# Altium PCB ECU_FEST24_Rev1.PcbDoc (part 2 of 3) (continued)
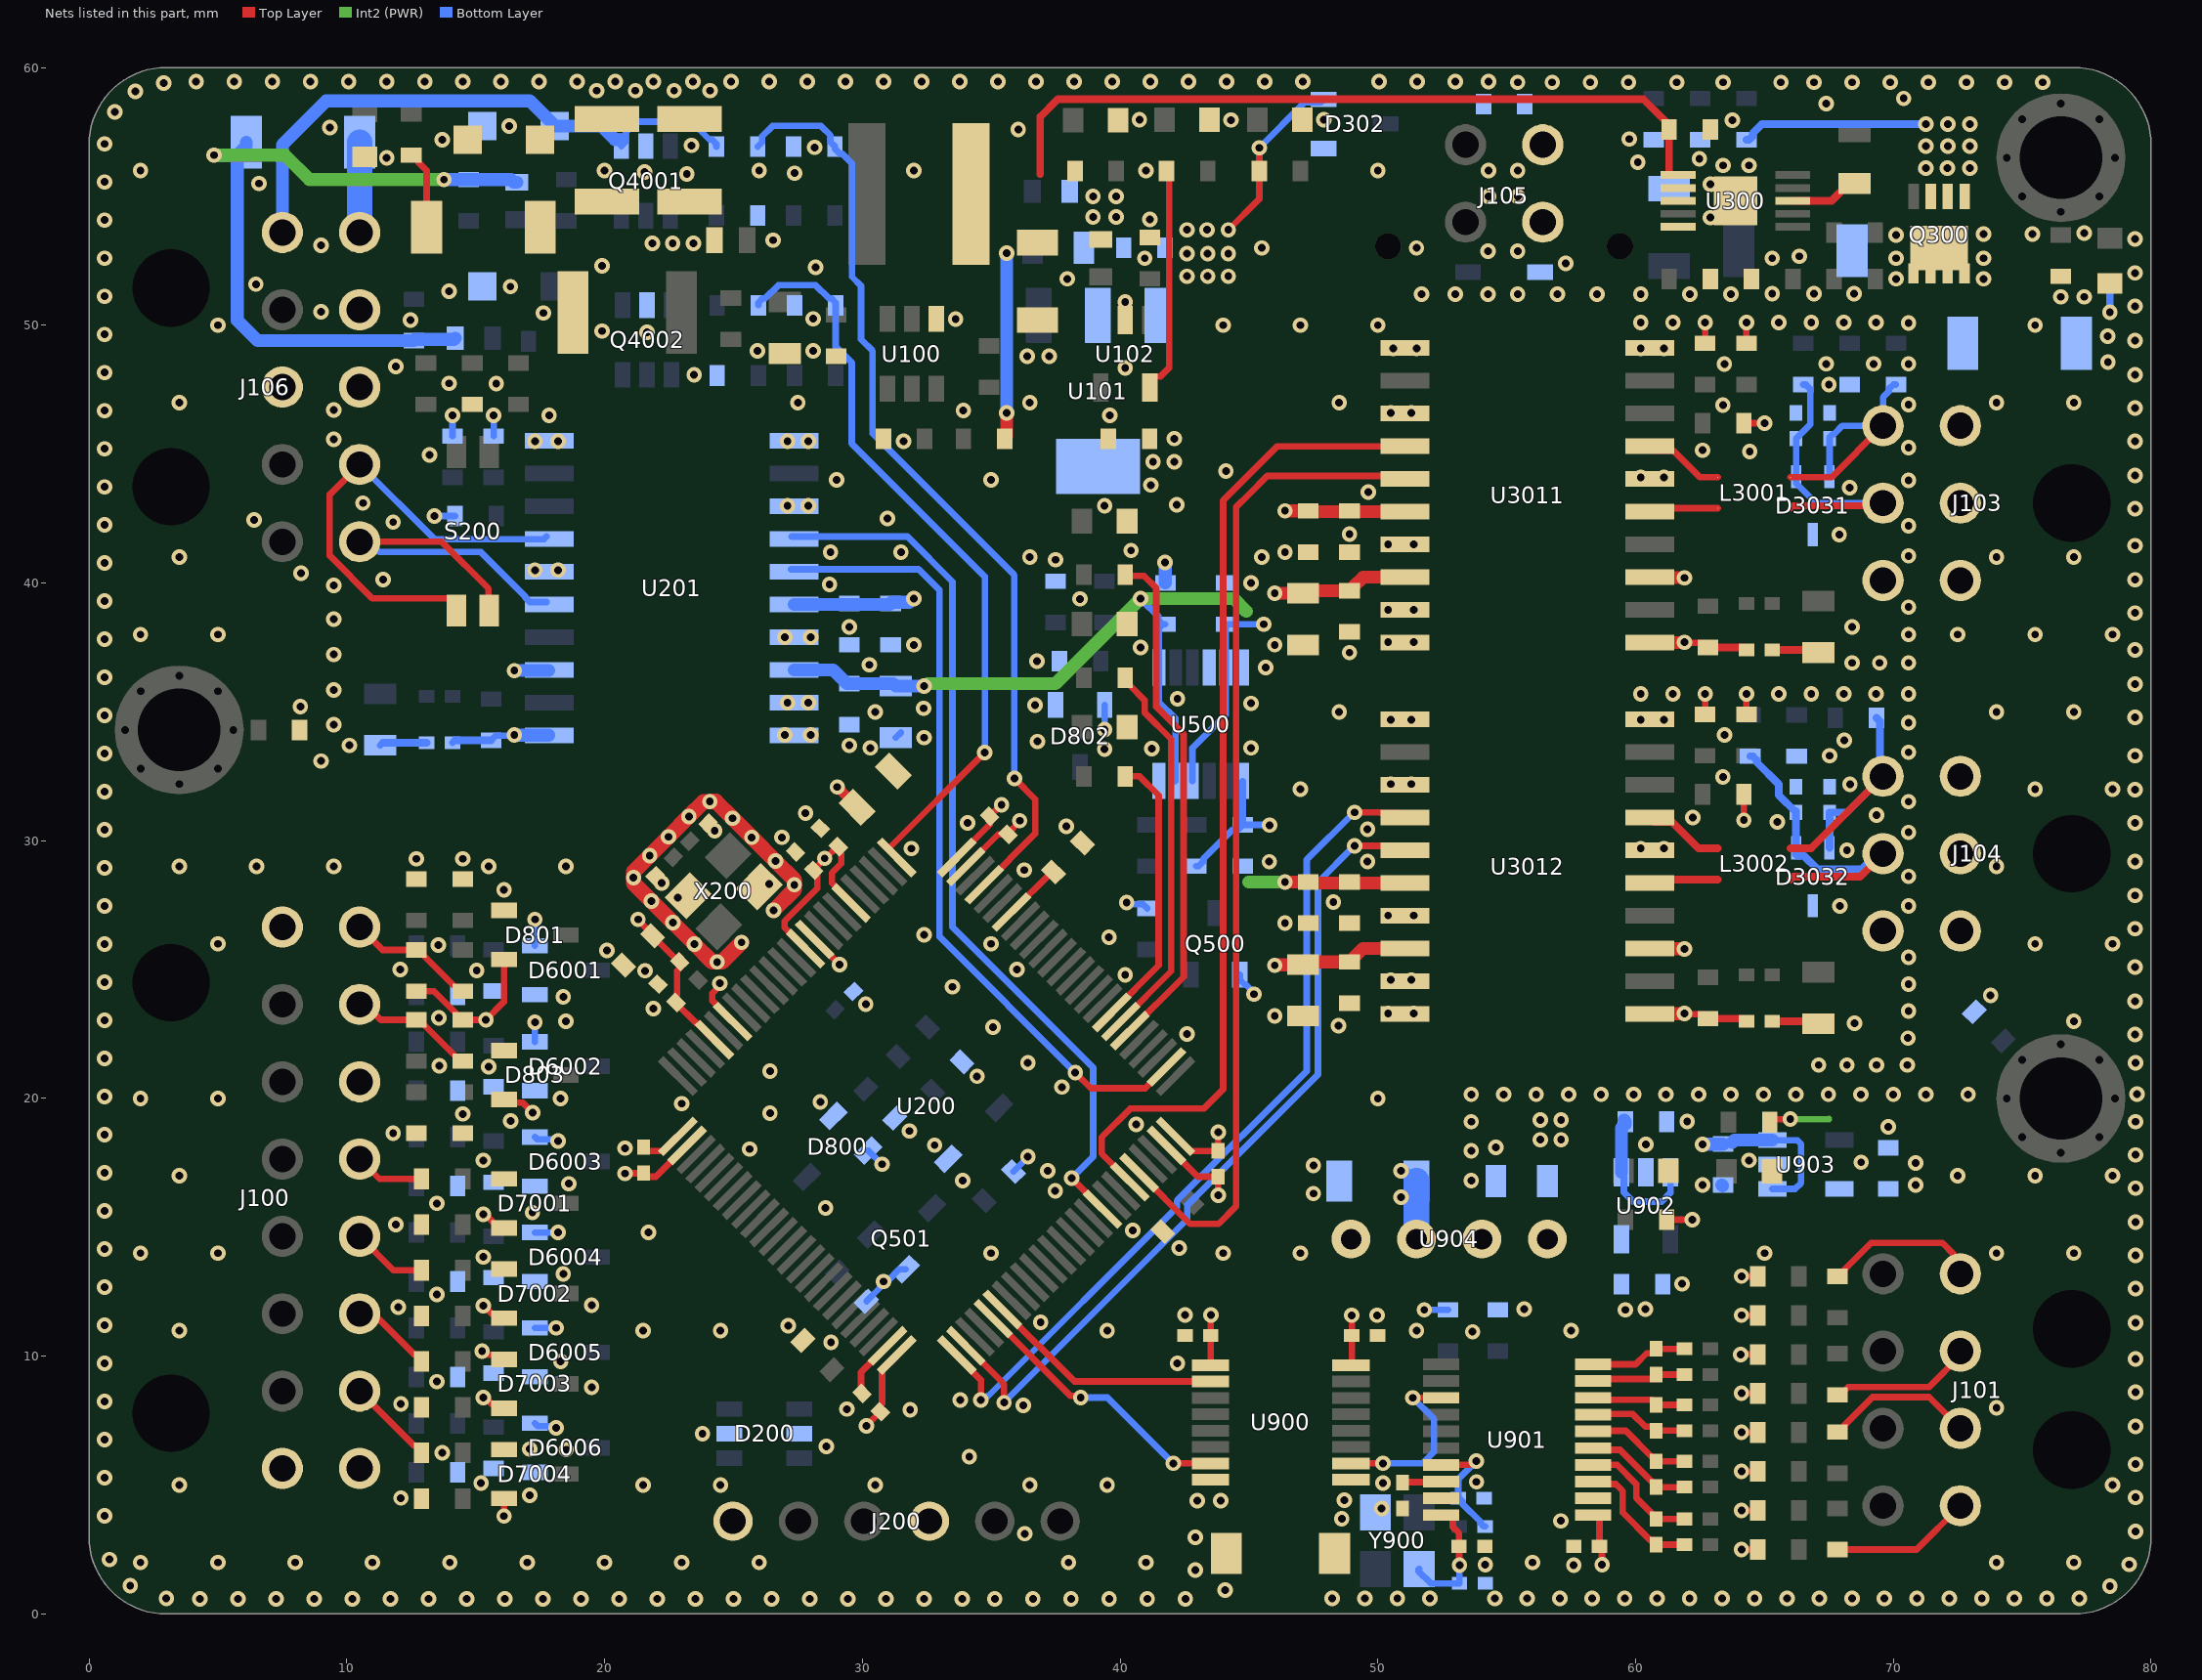
[diagram p4: the nets of this part, all layers, seen from the top]
## Nets (pads, with @x,y where several pads share a name; then routed paths per layer and width w, separated by ;. In a path a pad name is that pad's centre, name@x,y a point inside that pad or via, vN(x,y) a via of type N, cw(c..) or ccw(c..) an arc to the next point about the centre after c; other vN are vias at no path point) (continued)
  Int2 (PWR) w0.254: v1(66,19.2) 67.5,19.2
  other v1: 70.869,16.639 70.869,17.5
+3V3D_iso: C901.2 C903.2 C905.1 C908.2 R900.2 R909.1 U900.16 U901.20 U902.5 Y900.4 | length 8.9
  Top Layer w0.254: U900.16@48.955,9.655 48.99,9.691 v1(48.99,11.59) ; U901.20@52.45,3.837 52.809,3.837 52.907,3.739 52.907,3.38 53.15,3.137 C903.2@53.15,2.628 53.159,2.619 53.159,1.909 v1(53.168,1.9) ; R900.2@61.202,15.297 62.197,15.297 v1(62.2,15.3)
  Bottom Layer w0.254: Y900.4@51.6,1.75 51.586,1.736 51.586,1.655 52.052,1.19 C905.1@53.168,1.19 v1(53.168,1.9) ; v1(51.803,11.8) R909.1@52.723,11.8
  other v1: 59.602,11.8 60.385,11.823
+5V: C106.2 C202.1 C203.1 C300.1 C500.1 C501.1 C502.1 C3061.1 C3062.1 C3071.1 C3072.1 F100.1 F101.2 L101.2 R101.1 R106.2 R502.2 R503.2 U201.8 U300.1 U500.1 U500.5 U500.7 U500.10 U500.11 U3011.8 U3012.8 | length 89.1
  Top Layer w0.3: 36.9,55.858 36.9,58.08 37.595,58.775 60.298,58.775 61.15,57.923 61.15,57.75 C300.1@61.3,57.6 61.3,55.848 61.323,55.825 U300.1@61.65,55.825
  Top Layer w0.5: R101.1@35.521,45.592 35.6,45.671 v1(35.6,46.6) ; v1(46,25.164) 46.018,25.182 47.082,25.182 C3062.1@47.1,25.2 47.2,25.3 C3072.1@48.9,25.3 49,25.3 49.05,25.35 49.05,25.45 49.425,25.825 U3012.8@51.05,25.825 ; v1(46,39.6) C3061.1@47.1,39.6 47.2,39.7 C3071.1@48.9,39.7 49,39.7 49.05,39.75 49.05,39.85 49.425,40.225 U3011.8@51.05,40.225
  Int2 (PWR) w0.5: v1(32.4,36) 32.427,36 32.527,36.1 37.5,36.1 v1(40.8,39.4) 44.4,39.4 44.9,38.9
  Bottom Layer w0.254: R503.2@35.866,17.166 36.424,17.724 v1(36.424,17.742) ; v1(40.8,39.4) 40.8,39.382 41.144,39.038 41.162,39.038 41.484,38.716 41.484,38.573 41.657,38.4 C500.1@41.68,38.4 ; C500.1@41.757,38.4 C500.1@41.68,38.4 ; U500.11@42.157,32.315 42.157,34.735 41.507,35.385 U500.1@41.507,36.715 41.507,38.227 C500.1@41.68,38.4 ; U500.10@42.807,32.315 42.807,33.6 44.107,34.9 U500.5@44.107,36.715 C502.1@44.107,38.4 v1(45.577,38.4) ; R502.2@42.957,29.015 43.057,29.015 43.23,29.188 43.23,29.288 44.384,30.442 44.584,30.442 C501.1@44.757,30.615 ; U500.7@44.757,32.315 C501.1@44.757,30.615 ; v1(45.8,30.605) 45.79,30.615 C501.1@44.757,30.615
  Bottom Layer w0.5: U201.8@27.35,36.625 28.875,36.625 29.4,36.1 31.2,36.1 C202.1@31.3,36 v1(32.4,36) ; v1(35.6,46.6) v1(35.6,52.8)
  other v1: 38.951,54.2 39.851,54.2 38.951,55 39.85,55
+5V_iso: C907.2 C909.2 C912.2 U902.1 U902.3 U903.1 U903.3 U904.4 | length 12.1
  Bottom Layer w0.254: U902.1@59.452,17.139 59.546,17.046 59.546,16.357 59.902,16.001 61.013,16.001 61.352,16.339 U902.3@61.352,17.139 ; U903.1@65.3,16.489 66.188,16.489 66.423,16.725 66.423,18.229 66.274,18.378 65.311,18.378 U903.3@65.3,18.389
  Bottom Layer w0.5: U902.1@59.452,17.139 59.452,18.85 59.602,19 59.602,19.115 C907.2@59.552,19.165 ; v1(62.6,18.22) 62.61,18.229 63.39,18.229 C909.2@63.4,18.239 ; C909.2@63.743,18.289 63.843,18.389 U903.3@65.3,18.389
  other v1: 56.3,18.4 57.11,18.4 56.3,19.165 57.11,19.165
+24V: D100.2 D102.2 J106.10 R105.2 | length 6.6
  Top Layer w0.254: R105.2@12.5,56.6 12.6,56.6 12.773,56.427 12.773,56.327 13.1,56 D100.2@13.1,53.8
  Bottom Layer w1: J106.10@10.5,53.6 D102.2@10.5,57.1
+24V_CTRL: F300.2 J105.4
+24V_prot: C104.1 C105.1 C911.2 D100.1 D101.1 L100.1 U904.2 | length 3
  Bottom Layer w0.254: v1(50.9,17.2) 51.127,17.2 51.5,16.827 C911.2@51.5,16.801
  Bottom Layer w1: U904.2@51.5,14.547 C911.2@51.5,16.801
  other v1: 50.9,16.164 21.854,53.177 22.643,53.177 23.448,53.177
+24V_sw: D102.1 F4001.2 F4002.2 R4001.2 R4002.2 | length 29
  Int2 (PWR) w0.5: v1(4.85,56.6) 7.6,56.6 8.55,55.65 v1(13.771,55.65)
  Bottom Layer w0.5: v1(4.85,56.6) D102.1@5.75,56.6 ; D102.1@6.1,57.1 6.1,56.95 D102.1@5.75,56.6 ; v1(13.771,55.65) R4001.2@14.725,55.65 14.75,55.65 16.368,55.65 16.468,55.55 F4001.2@16.593,55.55 ; F4002.2@14.209,49.5 14.161,49.451 12.649,49.451 R4002.2@12.6,49.403 11,49.403 10.997,49.4 6.544,49.4 5.75,50.194 D102.1@5.75,56.6
ADC_DRDY: U200.55 U900.7 | length 10.8
  Top Layer w0.254: U200.55@35.081,11.462 38.082,8.462 38.413,8.462 v1(38.475,8.4) ; v1(42.069,5.845) U900.7@43.505,5.845
  Bottom Layer w0.254: v1(38.475,8.4) 39.514,8.4 v1(42.069,5.845)
ADC_RST: U200.56 U900.2 | length 9.2
  Top Layer w0.254: U200.56@35.434,11.816 38.23,9.02 U900.2@43.505,9.02
AIN_N1: C9131.2 R9061.1 U901.4 | length 4.8
  Top Layer w0.254: U901.4@58.35,5.787 58.353,5.79 59.282,5.79 60.027,5.046 60.027,4.511 60.8,3.738 C9131.2@60.8,3.688 R9061.1@61.9,3.688
AIN_N2: C9132.2 R9062.1 U901.5 | length 4.2
  Top Layer w0.254: U901.5@58.35,6.437 58.416,6.371 59.401,6.371 60.8,4.973 C9132.2@60.8,4.923 R9062.1@61.9,4.923
AIN_N3: C9133.2 R9063.1 U901.8 | length 3.7
  Top Layer w0.254: U901.8@58.35,8.387 58.429,8.309 60.655,8.309 60.8,8.163 C9133.2@60.8,8.113 R9063.1@61.9,8.113
AIN_N4: C9134.2 R9064.1 U901.9 | length 3.7
  Top Layer w0.254: U901.9@58.35,9.037 58.428,9.115 60.677,9.115 60.8,9.238 C9134.2@60.8,9.288 R9064.1@61.9,9.288
AIN_P1: C9131.1 R9051.1 U901.3 | length 5.1
  Top Layer w0.254: U901.3@58.35,5.137 58.448,5.039 59.233,5.039 59.5,4.773 59.5,3.936 60.575,2.861 60.677,2.861 60.8,2.738 C9131.1@60.8,2.688 R9051.1@61.9,2.688
AIN_P2: C9132.1 R9052.1 U901.6 | length 4.1
  Top Layer w0.254: U901.6@58.35,7.087 58.37,7.108 59.615,7.108 60.627,6.096 60.677,6.096 60.8,5.973 C9132.1@60.8,5.923 R9052.1@61.9,5.923
AIN_P3: C9133.1 R9053.1 U901.7 | length 3.8
  Top Layer w0.254: U901.7@58.35,7.737 58.37,7.758 59.885,7.758 60.374,7.268 60.677,7.268 60.8,7.145 C9133.1@60.8,7.113 R9053.1@61.9,7.113
AIN_P4: C9134.1 R9054.1 U901.10 | length 3.8
  Top Layer w0.254: U901.10@58.35,9.687 59.999,9.687 60.427,10.115 60.677,10.115 60.8,10.238 C9134.1@60.8,10.288 R9054.1@61.9,10.288
Boot: R207.2 U200.94 | length 2.3
  Top Layer w0.254: U200.94@35.788,27.231 37.379,28.822 R207.2@37.414,28.786
C_H1: L3001.1 U3011.17 | length 3.1
  Top Layer w0.254: U3011.17@60.55,45.305 60.723,45.132 61.467,45.132 62.499,44.1 L3001.1@63.187,44.1
C_H2: L3002.1 U3012.17 | length 3.1
  Top Layer w0.3: U3012.17@60.55,30.905 60.723,30.732 61.416,30.732 62.448,29.7 L3002.1@63.187,29.7
C_L1: L3001.2 U3011.15 | length 2.7
  Top Layer w0.254: U3011.15@60.55,42.765 60.685,42.9 L3001.2@63.187,42.9
C_L2: L3002.2 U3012.15 | length 2.7
  Top Layer w0.3: U3012.15@60.55,28.365 60.685,28.5 L3002.2@63.187,28.5
CAN_GND: C204.2 C205.2 C207.2 C208.2 FB201.2 J106.8 R202.1 U201.16 U201.20 | length 4.2
  Bottom Layer w0.254: C207.2@11.3,33.7 C207.2@11.4,33.8 ; v1(13.4,42.6) R202.1@14.2,42.6 ; C205.2@14.1,45.7 v1(14.1,46.5) ; C204.2@15.7,45.7 v1(15.7,46.5)
  Bottom Layer w0.3: C207.2@11.4,33.8 FB201.2@13.1,33.8
  other v1: 10.1,33.7 9.5,34.509 9.5,35.85 9.5,37.225 9.5,38.6 9.5,39.9 11.41,40.13 17.3,40.5 18.2,40.5 11.8,42.36 10.627,43.1 13.21,44.967 17.3,45.5 18.2,45.5 9.5,45.573 17.85,46.5 9.5,46.71 15.8,47.732 13.971,47.746 11.9,48.4
CAN_H: J106.7 S200.1 U201.17 | length 18.4
  Top Layer w0.254: J106.7@10.5,44.6 9.339,43.439 9.339,41.061 11,39.4 13.997,39.4 14.25,39.147 S200.1@14.25,38.925
  Bottom Layer w0.254: J106.7@10.5,44.6 13.4,41.7 17.645,41.7 U201.17@17.75,41.805
CAN_L: J106.6 S200.2 U201.15 | length 14.9
  Top Layer w0.254: J106.6@10.5,41.6 13.685,41.6 15.498,39.787 15.498,38.947 S200.2@15.52,38.925
  Bottom Layer w0.254: J106.6@10.5,41.6 10.864,41.6 11.264,41.2 15.2,41.2 16.927,39.473 16.927,39.438 17.1,39.265 U201.15@17.75,39.265
CAN_RX: U200.67 U201.4 | length 34.4
  Top Layer w0.254: v1(38.122,16.907) U200.67@39.324,15.705
  Bottom Layer w0.254: U201.4@27.261,41.8 31.75,41.8 33.5,40.05 33.5,26.655 38.957,21.198 38.957,17.742 v1(38.122,16.907)
CAN_TX: U200.77 U201.5 | length 31.1
  Top Layer w0.254: v1(38.263,21.008) 38.871,20.4 40.978,20.4 U200.77@41.798,21.22
  Bottom Layer w0.254: U201.5@27.234,40.535 32.184,40.535 33,39.719 33,26.271 v1(38.263,21.008)
CAP: C904.2 U901.18 | length 1.5
  Top Layer w0.254: C904.2@50.953,5.098 50.972,5.118 52.43,5.118 U901.18@52.45,5.137
CLK_IN: C906.2 R907.2 U901.17 | length 4.7
  Top Layer w0.254: U901.17@52.45,5.787 53.578,5.787 53.725,5.935 v1(53.819,5.935)
  Bottom Layer w0.254: v1(53.819,5.935) 53.119,5.235 C906.2@53.119,4.487 53.169,4.487 53.292,4.364 53.292,4.267 53.987,3.571 53.987,3.521 54.11,3.398 R907.2@54.16,3.398
CTRL_CAN_GND1: C3081.2 C3091.2 C3111.2 C3121.2 C3131.1 C3141.2 D3031.3 FB3011.2 J103.6 R3081.1 U3011.16 U3011.20 | length 4.3
  Top Layer w0.254: C3081.2@62.7,49.3 v1(62.7,50.1) ; R3081.1@64.2,46.2 v1(65,46.2) ; C3091.2@64.3,49.3 v1(64.3,50.1) ; C3111.2@67,37.4 C3111.2@67.1,37.3
  Top Layer w0.3: FB3011.2@65.3,37.4 C3111.2@67,37.4
  Bottom Layer w0.254: v1(67.5,47.7) v1@67.525,47.675
  other v1: 68.4,36.9 69.468,36.9 70.587,36.9 70.587,38 68.4,38.3 70.587,39.065 70.587,41.05 67.9,41.875 70.587,42.215 68.3,43.7 70.587,43.985 60.2,44.1 61.1,44.1 64.427,45.1 62.6,45.15 70.587,45.258 63.388,46.9 70.587,46.922 63.445,48.5 67.4,48.501 69.233,48.501 70.587,48.501 60.2,49.1 61.1,49.1 60.2,50.1 61.448,50.1 65.557,50.1 66.815,50.1 68.072,50.1 69.33,50.1 70.587,50.089
CTRL_CAN_GND2: C3082.2 C3092.2 C3112.2 C3122.2 C3132.1 C3142.2 D3032.3 FB3012.2 J104.6 R3082.1 U3012.16 U3012.20 | length 4.4
  Top Layer w0.254: C3082.2@62.7,34.9 v1(62.7,35.7) ; v1(64.2,30.8) R3082.1@64.2,31.8 ; C3092.2@64.3,34.9 v1(64.3,35.7) ; C3112.2@67,23 C3112.2@67.1,22.9
  Top Layer w0.3: FB3012.2@65.3,23 C3112.2@67,23
  other v1: 67.1,21.3 68.2,21.3 69.35,21.3 70.545,21.3 70.568,22.344 68.5,22.925 70.587,23.388 70.587,24.431 70.587,25.475 67.925,27.475 70.587,27.475 70.587,28.618 68.2,29.625 60.2,29.7 61.1,29.7 70.587,30.325 65.496,30.732 62.22,30.905 69.346,31 70.587,31.517 68.317,32.194 63.388,32.475 67.525,33.3 70.587,33.432 68.1,33.9 63.451,34.1 70.587,34.58 60.2,34.7 61.1,34.7 60.2,35.7 61.448,35.7 65.557,35.7 66.815,35.7 68.072,35.7 69.33,35.7 70.587,35.7
CTRL_CAN_H1: C3121.1 D3031.2 J103.4 L3001.4 R3101.2 | length 10.1
  Top Layer w0.254: L3001.4@66.013,44.1 67.6,44.1 J103.4@69.6,46.1
  Bottom Layer w0.254: D3031.2@67.525,44.125 C3121.1@67.525,45.6 67.525,45.65 67.648,45.773 67.698,45.773 68.025,46.1 J103.4@69.6,46.1 69.6,47.2 69.827,47.427 69.827,47.527 70,47.7 R3101.2@70.1,47.7
CTRL_CAN_H2: C3122.1 D3032.2 J104.4 L3002.4 R3102.2 | length 11.1
  Top Layer w0.3: L3002.4@66.013,29.7 66.8,29.7 J104.4@69.6,32.5
  Bottom Layer w0.3: D3032.2@67.525,29.725 C3122.1@67.525,31.1 68.2,31.1 J104.4@69.6,32.5 69.473,32.627 69.473,34.638 R3102.2@69.346,34.765
CTRL_CAN_L1: C3131.2 D3031.1 J103.5 L3001.3 R3111.2 | length 11.6
  Top Layer w0.254: L3001.3@66.013,42.9 66.113,43 69.5,43 J103.5@69.6,43.1
  Bottom Layer w0.254: R3111.2@66.5,47.701 66.6,47.701 66.773,47.528 66.773,47.38 66.775,47.379 66.775,46.15 C3131.2@66.225,45.6 66.225,43.875 66.298,43.802 67,43.1 J103.5@69.6,43.1
CTRL_CAN_L2: C3132.2 D3032.1 J104.5 L3002.3 R3112.2 | length 12.5
  Top Layer w0.3: L3002.3@66.013,28.5 66.113,28.6 68.7,28.6 J104.5@69.6,29.5
  Bottom Layer w0.3: R3112.2@64.446,33.28 64.546,33.28 64.696,33.13 64.696,33.055 65.557,32.194 65.557,31.768 C3132.2@66.225,31.1 ; C3132.2@66.225,31.15 D3032.1@66.225,29.725 66.225,29.475 66.275,29.425 66.525,29.425 67.05,28.9 68.774,28.9 69.374,29.5 J104.5@69.6,29.5
CTRL_CAN_RX1: U200.70 U3011.4 | length 38.4
  Top Layer w0.254: U200.70@40.384,16.766 39.288,17.862 39.288,18.498 40.397,19.606 43.249,19.606 44,20.357 44,43.199 46.106,45.305 U3011.4@51.05,45.305
CTRL_CAN_RX2: U200.51 U3012.4 | length 33.1
  Top Layer w0.254: U200.51@33.667,10.048 33.667,10.02 34.601,9.085 v1(34.601,8.3) ; v1(49.1,31.1) 50.078,31.1 50.1,31.078 50.877,31.078 U3012.4@51.05,30.905
  Bottom Layer w0.254: v1(34.601,8.3) 34.695,8.3 34.859,8.464 34.892,8.464 42.205,15.777 42.205,16.031 47.239,21.064 47.239,29.264 49.075,31.1 v1(49.1,31.1)
CTRL_CAN_TX1: U200.71 U3011.5 | length 39.1
  Top Layer w0.254: U200.71@40.738,17.119 42.718,15.139 43.825,15.139 44.5,15.814 44.5,42.94 45,43.44 45.71,44.15 50.935,44.15 U3011.5@51.05,44.035
CTRL_CAN_TX2: U200.52 U3012.5 | length 32.1
  Top Layer w0.254: U200.52@34.02,10.402 35.23,9.192 35.409,9.013 35.409,9.009 35.499,8.918 v1(35.499,8.201) ; v1(49.1,29.8) 50.885,29.8 U3012.5@51.05,29.635
  Bottom Layer w0.254: v1(35.499,8.201) 35.499,8.215 42.609,15.325 42.609,15.864 47.675,20.929 47.675,28.391 49.084,29.8 v1(49.1,29.8)
CTRL_PWR: C302.2 J103.2 J104.2 Q300.1 R303.2 R304.2 U300.8 | length 11.3
  Top Layer w0.3: U300.8@66.1,54.825 67.6,54.825 68.275,55.5 C302.2@68.5,55.5
  Bottom Layer w0.3: R304.2@64.3,57.2 64.4,57.2 64.55,57.35 64.55,57.45 64.9,57.8 v1(71.261,57.8) ; v1@71.105,56.025 71.18,56.1 v1(71.261,56.1) ; v1(78.4,50.5) R303.2@78.4,51.7
  other v1: 72.1,56.1 72.972,56.1 71.261,56.95 72.11,56.95 72.972,56.95 72.11,57.8 72.972,57.8
Debug_LED1: R204.2 U200.81 | length 19.9
  Top Layer w0.254: R204.2@40.2,40.275 40.932,40.275 41.4,39.807 41.4,35.2 42.463,34.137 ; U200.81@40.384,22.634 42.463,24.713 ; 42.467,24.713 42.467,34.137
Debug_LED2: R205.2 U200.82 | length 14.9
  Top Layer w0.254: U200.82@40.031,22.988 41.983,24.941 41.983,33.942 40.952,34.973 40.952,35.448 40.373,36.027 40.373,36.177 R205.2@40.2,36.35
DigiAnalog_in1: J100.16 R800.1 R802.2 | length 5.1
  Top Layer w0.254: J100.16@10.5,26.65 11.387,25.763 12.8,25.763 12.973,25.59 12.973,25.552 14.189,24.336 14.327,24.336 R802.2@14.5,24.163
DigiAnalog_in2: J100.15 R805.1 R807.2 | length 4.9
  Top Layer w0.254: J100.15@10.5,23.65 10.72,23.65 11.322,23.049 12.8,23.049 12.973,22.876 14.4,21.449 R805.1@14.5,21.449
DRDY: U900.10 U901.13 | length 7
  Top Layer w0.254: U900.10@48.955,5.845 v1(50.2,5.845) ; v1(51.353,8.387) U901.13@52.45,8.387
  Bottom Layer w0.254: v1(50.2,5.845) 51.73,5.845 52.186,6.301 52.186,7.558 51.356,8.387 v1(51.353,8.387) 51.35,8.385 v1@51.282,8.385
Error_LED: R203.2 U200.83 | length 10.8
  Top Layer w0.254: U200.83@39.677,23.342 41.5,25.164 41.5,31.762 40.762,32.5 R203.2@40.2,32.5
GND: 100.1 101.1 102.1 103.1 C100.1 C102.1 C103.1 C104.2 C105.2 C106.1 C107.2 C108.2 C109.2 C112.2 C113.2 C200.2 C201.2 C202.2 C203.2 C209.1 C210.1 C211.1 C212.1 C213.1 C214.1 C215.1 C216.1 C217.1 C218.2 C219.2 C220.2 C221.2 C222.2 C500.2 C501.2 C502.2 C800.2 C801.2 C802.2 C803.2 C900.2 C911.1 C914.1 C3041.2 C3042.2 C3051.2 C3052.2 C3061.2 C3062.2 C3071.2 C3072.2 C6001.2 C6002.2 C6003.2 C6004.2 C6005.2 C6006.2 C7001.2 C7002.2 C7003.2 C7004.2 D101.2 D200.2 D200.5 D302.1 D501.2 D800.1 D801.1 D802.1 D803.1 D4001.2 D4002.2 D6001.1 D6002.1 D6003.1 D6004.1 D6005.1 D6006.1 D7001.1 D7002.1 D7003.1 D7004.1 ERROR200.1 FB100.2 J100.8 J100.9 J106.3 J106.9 J200.4 MCU200.1 MCU201.1 Q4001.5 Q4002.5 R102.2 R207.1 R803.1 R804.1 R808.1 R809.1 R4041.1 R4042.1 R4051.1 R4052.1 R6011.2 R6012.2 R6013.2 R6014.2 R6015.2 R6016.2 U100.1 U101.2 U102.2 U200.10 U200.19 U200.26 U200.49 U200.74 U200.99 U201.1 U201.3 U201.7 U201.9 U201.10 U500.4 U500.6 U500.12 U900.8 U904.1 U3011.1 U3011.3 U3011.7 U3011.9 U3011.10 U3012.1 U3012.3 U3012.7 U3012.9 U3012.10 X200.2 X200.4 | length 33.2
  Top Layer w0.254: 100.1@10.7,56.525 100.1@10.725,56.5 ; v1(15.25,10.202) 15.344,10.202 15.493,10.053 15.927,10.053 D7003.1@16.1,9.88 ; C212.1@21.51,18.11 21.51,18.091 21.633,17.968 22.282,17.968 U200.26@22.848,18.533 ; v1(24.472,24.467) 24.472,24.374 24.182,24.084 24.182,23.788 24.969,23 U200.19@24.969,22.988 ; U200.10@28.152,26.17 v1(29.123,25.2) ; C213.1@29.99,8.554 29.954,8.589 29.954,9.376 U200.49@30.98,10.402 ; U200.99@34.02,28.998 35.268,30.246 35.402,30.246 35.437,30.282 35.611,30.282 C215.1@35.647,30.246 35.647,30.282 36.106,30.741 v1(36.106,30.777) ; U200.74@41.798,18.18 43.011,16.968 C214.1@43.8,16.968 43.805,16.962 43.805,16.254 v1(43.81,16.249) ; C3062.2@46.9,23.4 C3062.2@47.1,23.2 ; C3061.2@46.9,37.8 C3061.2@47.1,37.6
  Top Layer w0.5: C222.2@21.964,28.645 21.958,28.639 22.223,28.374 v1(22.223,28.362) ; C221.2@24.015,30.683 24.006,30.674 24.274,30.406 v1(24.274,30.389)
  Top Layer w0.6: v1(24.085,31.519) 23.848,31.519 v1(23.272,30.943) v1(22.481,30.152) v1(21.752,29.423) 21.125,28.796 21.125,28.352 v1(21.823,27.655) v1(23.484,25.993) 24.182,25.296 24.555,25.296 v1(25.316,26.057) ; v1@24.085,31.522 24.32,31.522 v1(24.969,30.872) v1(25.712,30.13) v1(26.631,29.211) 27.364,28.478 27.364,28.105 v1(26.56,27.301)
  Bottom Layer w0.254: C202.2@31.3,34 C202.2@31.5,34.2
  Bottom Layer w0.5: v1(41.747,40.8) 41.752,40.795 41.752,40.005 C500.2@41.757,40
  other v1: 4.3,0.583 5.779,0.583 7.257,0.583 8.736,0.583 10.214,0.583 11.693,0.583 13.171,0.583 14.65,0.583 16.128,0.583 17.607,0.583 19.085,0.583 20.564,0.583 22.042,0.583 23.521,0.583 25,0.583 26.478,0.583 27.957,0.583 29.435,0.583 30.914,0.583 32.392,0.583 33.871,0.583 35.14,0.583 36.619,0.583 38.097,0.583 39.576,0.583 41.054,0.583 42.533,0.583 3,0.6 44.076,0.925 1.6,1.1 42.925,1.7 2,2 5,2 8,2 11,2 14,2 17,2 20,2 23,2 26,2 38,2 41,2 0.8,2.116 42.925,2.975 36.3,3.115 0.6,3.809 43,4.4 43.9,4.4 12.1,4.5 17.1,4.6 3.5,5 21.5,5 24.5,5 30.5,5 36.5,5 39.5,5 15.21,5.084 0.6,5.287 34.151,6.1 13.7,6.252 18.514,6.38 17.1,6.4 28.611,6.5 0.6,6.766 23.8,7 31.858,7.919 29.4,7.95 36.242,8.094 12.1,8.153 0.6,8.245 33.8,8.3 19.5,8.8 13.5,9.017 0.6,9.723 42.225,9.725 18.3,9.8 28.788,10.543 3.5,11 21.5,11 24.5,11 39.5,11 27.126,11.179 0.6,11.202 36.919,11.321 42.519,11.6 12,11.9 19.5,11.98 13.5,12.4 0.6,12.68 18.4,13.2 15.3,13.85 2,14 5,14 35,14 44,14 47,14 0.6,14.159 42.3,14.2 21.7,14.8 40.49,14.878 11.9,15.109 17.202,15.576 0.6,15.637 28.576,15.749 13.5,15.93 47.5,16.312 37.485,16.42 18.612,16.695 33.895,16.817 3.5,17 0.6,17.116 37.2,17.2 47.5,17.4 15.3,17.6 25.635,18.038 20.799,18.074 32.805,18.189 0.6,18.594 11.8,18.649 31.825,18.739 40.632,19 16.361,19.124 14.5,19.4 26.419,19.436 22.989,19.8 28.372,19.871 2,20 5,20 18.29,20 50,20 0.6,20.073 37.74,20.442 34.451,20.861 26.419,21.062 15.5,21.227 13.585,21.275 36.424,21.39 0.6,21.551 42.595,22.5 35.066,22.766 48.475,22.825 18.5,23 0.6,23.03 13.575,23.125 46,23.2 50.4,23.3 51.4,23.3 21.891,23.483 30.134,23.659 18.4,23.943 33.5,24.333 0.6,24.508 50.5,24.6 51.3,24.6 40.2,24.8 21.575,24.954 15.041,24.963 12.075,25 36,25.003 24.368,25.296 20.1,25.746 13.55,25.95 0.6,25.987 5,26 35,26 39.571,26.25 32.4,26.347 46.4,26.8 22.654,26.824 50.4,27.1 51.4,27.1 0.6,27.466 48.275,27.625 22.848,27.794 16.1,28.1 27.364,28.291 26.384,28.327 21.125,28.574 36.281,28.863 0.6,28.944 3.5,29 6.5,29 9.5,29 15.5,29 18.5,29 45.79,29.188 49.6,29.2 12.7,29.3 14.5,29.3 31.899,29.698 26.879,30.13 0.6,30.423 49.6,30.442 37.909,30.565 34.087,30.696 27.798,31.072 0.6,31.901 47,32 50.5,32.2 51.3,32.2 9,33.093 0.6,33.38 39.4,33.56 41.23,33.574 30.308,33.6 45.077,33.6 29.5,33.7 36.8,33.851 32.4,34 27,34.1 28,34.1 50.5,34.7 51.3,34.7 0.6,34.858 30.5,35 48.5,35 32.381,35.138 8.2,35.2 36.707,35.265 45.077,35.331 27.1,35.355 27.9,35.355 42.226,35.502 0.6,36.337 45.65,36.715 30.275,36.825 36.775,36.965 48.9,37.3 40.8,37.5 32,37.6 46,37.6 50.4,37.7 51.4,37.7 0.6,37.815 27,37.9 28,37.9 2,38 5,38 29.5,38.3 50.4,38.955 51.4,38.955 0.6,39.294 38.45,39.382 28.728,39.95 45.077,40 8.225,40.385 0.6,40.772 37.5,40.9 3.5,41 36.5,41 45.5,41 28.768,41.2 31.5,41.2 46.4,41.2 40.427,41.262 50.4,41.5 51.4,41.5 48.9,41.9 0.6,42.251 6.4,42.443 30.971,42.5 27.1,43 27.9,43 39.4,43 42.205,43.04 49.625,43.525 0.6,43.729 41.19,43.8 29,44 35,44 44.107,44.343 0.6,45.208 27.1,45.5 27.9,45.5 31.6,45.5 39.6,46.5 50.5,46.6 51.3,46.6 0.6,46.687 33.921,46.69 3.5,47 27.5,47 36.5,47 48.5,47 23.475,48.075 0.6,48.165 40.201,48.341 36.4,48.8 37.25,48.8 25.933,49 28.1,49 50.592,49.1 51.5,49.1 0.6,49.644 21.65,49.731 19.9,49.775 5,50 44,50 47,50 50,50 12.475,50.203 28.1,50.25 33.621,50.242 17.625,50.475 9.005,50.519 40.201,50.9 0.6,51.122 51.7,51.2 53,51.2 54.275,51.2 13.971,51.325 16.35,51.5 6.475,51.592 37.957,51.8 28.191,52.25 19.9,52.3 0.6,52.601 40.959,52.6 54.275,52.875 45.5,53 51.5,53 9.005,53.1 26.545,53.3 0.6,54.079 41.151,54.1 54.3,55 6.6,55.5 0.6,55.558 23.193,55.875 27.368,55.9 21.55,55.95 2,56 20,56 26,56 32,56 41,56 50,56 54.3,56 11.55,56.5 28.15,56.9 23.372,56.975 0.6,57.036 13.7,57.2 36.049,57.6 9.35,57.675 16.3,57.725 44.3,57.961 40.751,57.976 47.9,57.976 1,58.275 1.8,59.068 19.7,59.1 21.2,59.1 22.7,59.1 24.1,59.1 2.9,59.4 4.158,59.45 5.636,59.45 7.115,59.45 8.593,59.45 10.072,59.45 11.55,59.45 13.029,59.45 14.507,59.45 15.986,59.45 17.464,59.45 18.943,59.45 20.421,59.45 21.9,59.45 23.429,59.45 24.908,59.45 26.386,59.45 27.865,59.45 29.343,59.45 30.822,59.45 32.3,59.45 33.779,59.45 35.258,59.45 36.736,59.45 38.215,59.45 39.693,59.45 41.172,59.45 42.65,59.45 44.129,59.45 45.607,59.45 47.086,59.45 50.043,59.45 51.521,59.45 53,59.45 54.3,59.45
GND2: C206.2 FB201.1 U201.11 U201.13 | length 5.2
  Bottom Layer w0.254: FB201.1@14.1,33.8 FB201.1@14.2,33.9 ; C206.2@15.6,33.9 15.773,34.073 16.473,34.073 v1(16.5,34.1) v1@16.507,34.092 ; v1(16.5,36.6) v1@16.513,36.612 ; U201.13@17.838,36.612 U201.13@17.85,36.625 ; U201.11@17.843,34.092 U201.11@17.85,34.085
  Bottom Layer w0.3: FB201.1@14.2,33.9 C206.2@15.6,33.9
  Bottom Layer w0.5: v1@16.507,34.092 U201.11@17.843,34.092 ; v1@16.513,36.612 U201.13@17.838,36.612
GND21: C3101.2 FB3011.1 U3011.11 U3011.13 | length 5.2
  Top Layer w0.254: U3011.11@60.55,37.685 U3011.11@60.557,37.693 ; v1@61.893,37.693 v1(61.9,37.7) 61.927,37.673 62.627,37.673 C3101.2@62.8,37.5 ; FB3011.1@64.2,37.5 FB3011.1@64.3,37.4
  Top Layer w0.3: C3101.2@62.8,37.5 FB3011.1@64.2,37.5
  Top Layer w0.5: U3011.13@60.55,40.225 60.562,40.213 61.887,40.213 v1(61.9,40.2) ; U3011.11@60.557,37.693 v1@61.893,37.693
GND22: C3102.2 FB3012.1 U3012.11 U3012.13 | length 5.2
  Top Layer w0.254: U3012.11@60.55,23.285 U3012.11@60.557,23.293 ; U3012.13@60.55,25.825 U3012.13@60.562,25.813 ; v1@61.887,25.813 v1(61.9,25.8) ; v1@61.892,23.293 v1(61.9,23.3) 61.927,23.273 62.627,23.273 C3102.2@62.8,23.1 ; FB3012.1@64.2,23.1 FB3012.1@64.3,23
  Top Layer w0.3: C3102.2@62.8,23.1 FB3012.1@64.2,23.1
  Top Layer w0.5: U3012.11@60.557,23.293 v1@61.892,23.293 ; U3012.13@60.562,25.813 v1@61.887,25.813
GND_CTRL: 300.1 C110.2 C111.2 C300.2 C303.2 D301.2 D500.2 FB100.1 J103.1 J103.3 J104.1 J104.3 J105.2 R301.2 R302.1 R305.1 U300.2 U300.3 U300.5 U300.11
  other v1: 79.4,21.389 79.381,22.488 77,23 79.381,23.777 73.771,24 79.381,25.1 75.5,26 78.5,26 79.381,26.588 79.381,27.877 74,29 79.381,29.2 79.381,30.688 79.381,31.977 75.5,32 78.5,32 79.381,33.3 79.381,34.788 74,35 77,35 79.381,36.077 79.381,37.4 72.5,38 75.5,38 78.5,38 79.381,38.838 79.381,40.127 74,41 77,41 79.381,41.45 79.381,42.888 79.381,44.177 79.381,45.5 79.381,46.788 74,47 77,47 79.381,48.077 78.325,48.575 79.381,49.4 78.31,49.575 75.5,50 79.381,50.738 76.5,51.1 77.4,51.1 55.425,51.2 56.966,51.2 58.5,51.2 60.2,51.2 62.1,51.2 63.7,51.2 65.3,51.225 66.925,51.225 68.475,51.225 79.381,52.027 57.286,52.4 65.3,52.6 66.35,52.675 55.425,52.875 79.381,53.35 75.4,53.532 77.4,53.581 62.9,54.175 55.425,55 62.9,55.475 55.425,56 63.4,56.2 64.4,56.2 60.085,56.325 62.475,56.455 59.75,57.225 63.75,57.95 67.4,58.6 70.4,58.8 55.425,59.425 56.767,59.425 58.245,59.425 59.724,59.425 61.6,59.425 63.4,59.425 65.638,59.425 66.925,59.425 68.403,59.425 69.882,59.425 71.36,59.425 72.839,59.425 74.317,59.425 75.796,59.425
iso_GND: 900.1 901.1 C901.1 C902.1 C903.1 C904.1 C905.2 C906.1 C907.1 C908.1 C909.1 C910.1 C912.1 C914.2 J101.1 J101.2 J101.3 J101.4 R908.2 R9041.2 R9042.2 R9043.2 R9044.2 U900.9 U901.2 U901.19 U902.2 U903.2 U904.3 Y900.2 | length 23.1
  Top Layer w0.254: R9041.2@67.837,2.5 70.9,2.5 J101.4@72.6,4.2 ; R9042.2@67.837,7.06 67.938,7.06 68.111,7.233 68.111,7.333 69.191,8.413 71.387,8.413 J101.3@72.6,7.2 ; R9043.2@67.837,8.5 67.938,8.5 68.238,8.8 71.378,8.8 72.6,10.022 J101.2@72.6,10.2 ; R9044.2@67.837,13.1 67.938,13.1 68.111,13.273 68.111,13.373 69.137,14.4 71.9,14.4 72.342,13.958 72.342,13.458 J101.1@72.6,13.2
  Bottom Layer w0.254: C909.1@63.375,16.614 C909.1@63.4,16.639
  Bottom Layer w0.5: C909.1@63.35,16.639 C909.1@63.375,16.614
  other v1: 48.23,0.6 49.5,0.6 50.76,0.6 52.019,0.6 54.539,0.6 55.798,0.6 57.058,0.6 58.318,0.6 59.577,0.6 60.837,0.6 62.097,0.6 63.356,0.6 64.616,0.6 65.875,0.6 67.135,0.6 68.395,0.6 69.654,0.6 70.914,0.6 72.174,0.6 73.433,0.6 74.693,0.6 75.953,0.6 77.212,0.6 78.4,1.075 54.168,1.909 57.6,1.9 79.15,1.925 56,2 74,2 77,2 79.4,3.2 57.1,3.612 48.6,3.7 50.15,4.098 48.701,4.41 79.4,4.523 78.5,5 50.2,5.083 53.828,5.128 79.4,5.812 79.4,7.281 74,8 79.4,8.604 79.4,9.893 53.675,10.95 51.5,11 57.5,11 79.4,11.3 49.968,11.59 55.68,11.823 79.4,12.623 61.8,12.807 79.4,13.912 65,14 74,14 77,14 79.4,15.2 79.4,16.523 62.6,16.639 53.624,16.819 72.5,17 75.5,17 78.5,17 68.75,17.525 64.4,17.6 79.4,17.812 53.624,17.976 54.58,18.1 60.402,18.22 69.8,18.9 53.624,19.1 62,19.112 79.4,19.1 53.624,20.158 54.883,20.158 56.143,20.158 57.403,20.158 58.662,20.158 59.922,20.158 61.182,20.158 62.441,20.158 63.701,20.158 64.961,20.158 66.22,20.158 67.48,20.158 68.74,20.158 69.999,20.158 71.259,20.158 72.9,20.158 79.45,20.175
LinearSens1: J100.13 R7001.2 | length 2.7
  Top Layer w0.254: J100.13@10.5,17.65 11.27,16.88 R7001.2@12.9,16.88
LinearSens2: J100.12 R7002.2 | length 2.9
  Top Layer w0.254: J100.12@10.5,14.65 11.813,13.337 R7002.2@12.9,13.337
LinearSens3: J100.11 R7003.2 | length 3.2
  Top Layer w0.254: J100.11@10.5,11.65 10.758,11.392 11.302,11.392 12.627,10.067 12.727,10.067 12.9,9.894 R7003.2@12.9,9.794
LinearSens4: J100.10 R7004.2 | length 3.5
  Top Layer w0.254: J100.10@10.5,8.65 12.625,6.525 12.727,6.525 12.9,6.352 R7004.2@12.9,6.252
LowPWR_Check1: R4021.1 R4051.2 U200.97 | length 36.7
  Top Layer w0.254: U200.97@34.727,28.291 36.707,30.271 36.707,31.611 v1(35.9,32.419)
  Bottom Layer w0.254: R4021.1@25.941,56.931 26.114,57.104 26.114,57.329 26.516,57.731 28.397,57.731 28.768,57.36 28.768,57.104 R4051.2@28.941,56.931 28.941,56.831 29.114,56.658 29.214,56.658 29.6,56.272 29.6,51.879 29.949,51.53 29.949,49.451 30.4,49 30.4,45.8 35.9,40.3 v1(35.9,32.419)
LowPWR_Check2: R4022.1 R4052.2 U200.1 | length 29.3
  Top Layer w0.254: U200.1@31.333,29.352 31.023,29.663 31.023,29.695 v1(34.746,33.419)
  Bottom Layer w0.254: R4022.1@25.968,50.775 25.968,50.875 26.141,51.048 26.241,51.048 26.745,51.552 28.191,51.552 28.695,51.048 28.795,51.048 28.968,50.875 R4052.2@28.968,50.775 28.968,49.171 29.592,48.547 29.592,45.408 34.754,40.246 34.754,33.427 v1(34.746,33.419)
LowPWR_OUT1: D4001.1 J106.5 Q4001.4 R4021.2 | length 22.7
  Bottom Layer w0.254: Q4001.4@20.65,56.95 20.823,57.123 20.823,57.487 21.236,57.9 23.372,57.9 24.068,57.204 24.168,57.204 24.341,57.031 R4021.2@24.341,56.931
  Bottom Layer w0.5: J106.5@7.5,53.6 7.5,57 9.2,58.7 17.099,58.7 D4001.1@18.068,57.731 19.869,57.731 20.4,57.2 20.6,57.2 Q4001.4@20.65,57.15